# Altium PCB PCB_Kasli.PCBDOC (part 6 of 14)
Units mm, origin at the board's own origin, x right, y up, seen from the top; angles counter-clockwise.
Board outline 162.29 x 100 mm, 6 copper layers (TopLayer, MidLayer1, MidLayer2, SignalLayer1, Internal Plane 1, BottomLayer), stack 1.528 mm thick; 646 components, 567 nets, 2756 pads, 1560 vias.
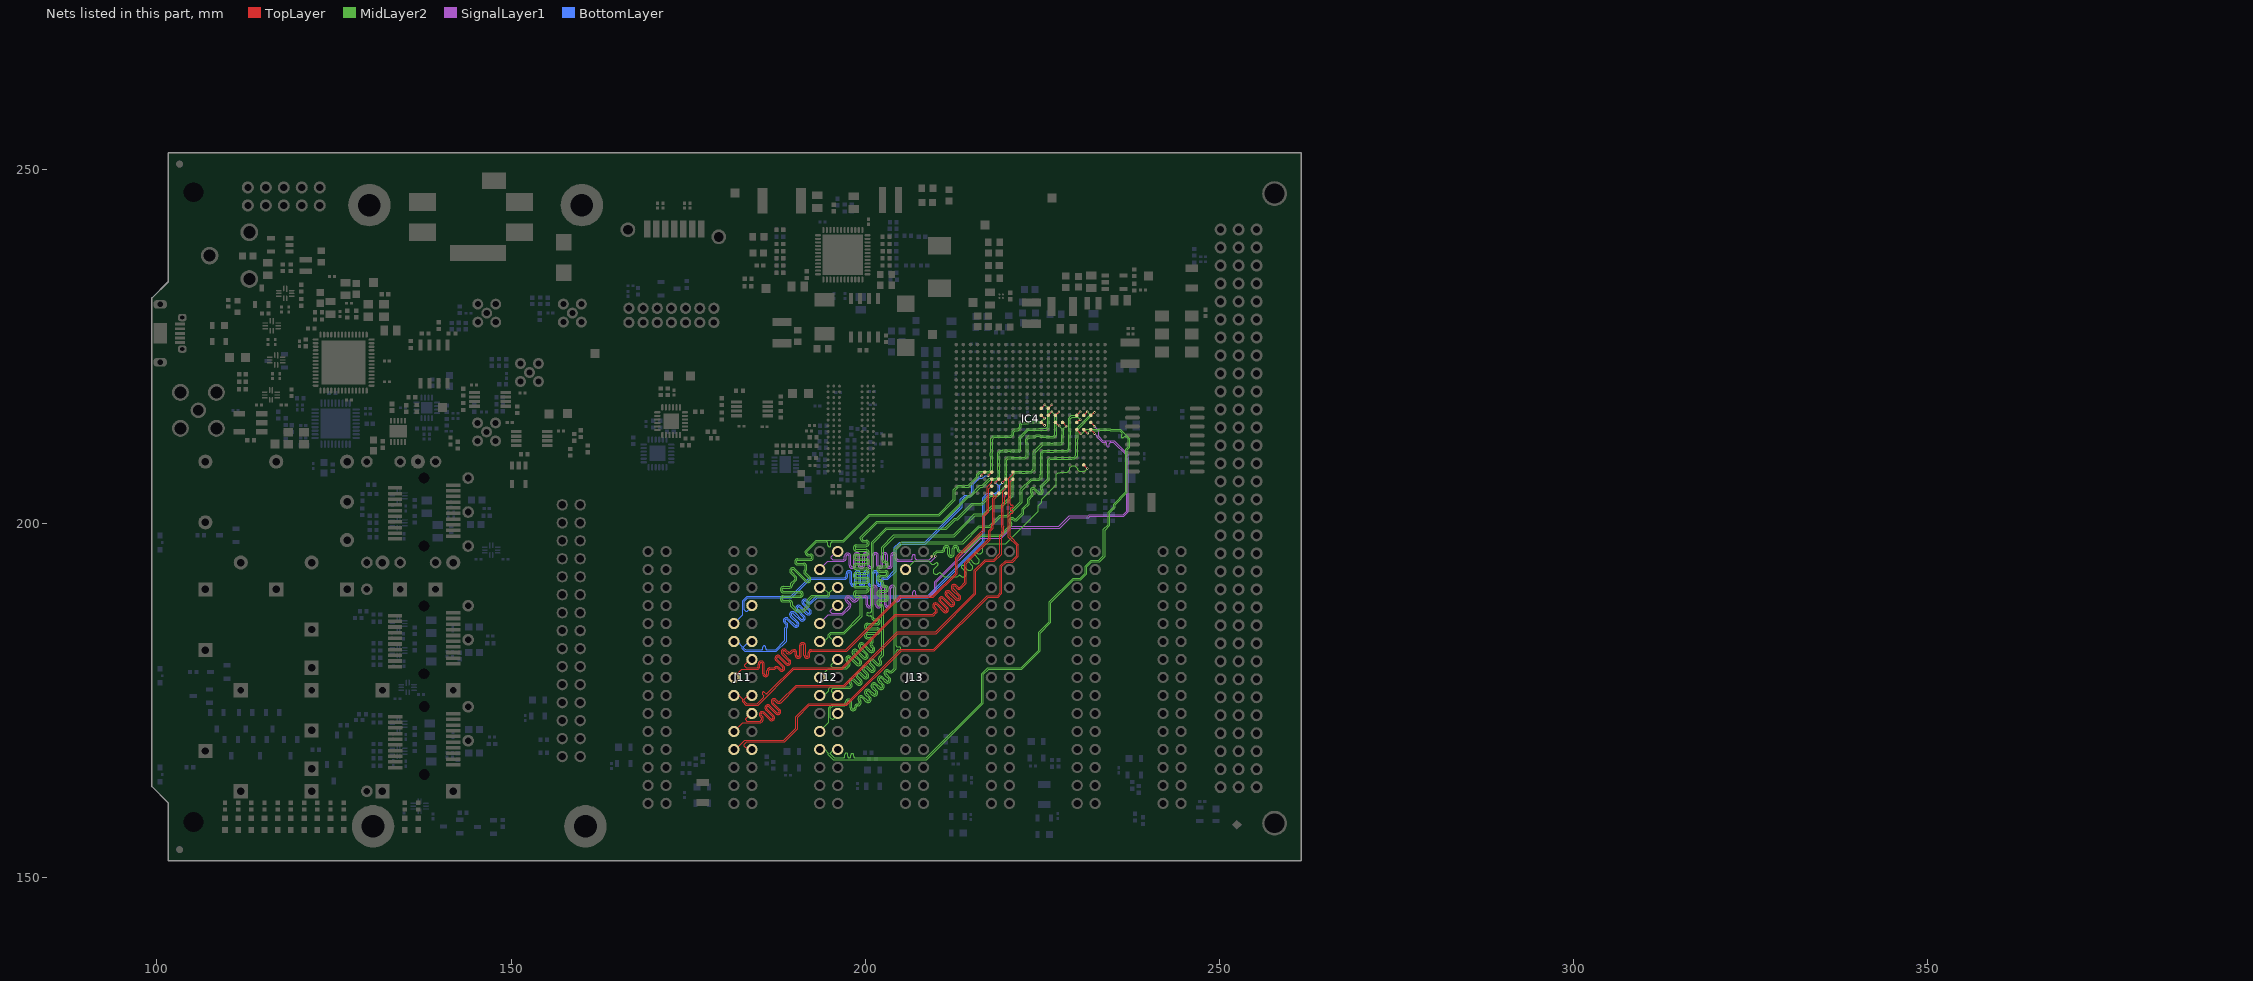
[diagram p10: the nets of this part, all layers, seen from the top]

## Via types
v1: diameter 0.5, hole 0.2, TopLayer to BottomLayer, tented both sides, 724 vias
v2: diameter 0.35, hole 0.15, TopLayer to BottomLayer, tented both sides, 628 vias
v3: diameter 0.8, hole 0.5, TopLayer to BottomLayer, tented both sides, 122 vias
v4: diameter 0.8, hole 0.5, TopLayer to BottomLayer, 66 vias
v5: diameter 0.5, hole 0.2, TopLayer to BottomLayer, 20 vias

## Nets (pads, with @x,y where several pads share a name; then routed paths per layer and width w, separated by ;. In a path a pad name is that pad's centre, name@x,y a point inside that pad or via, vN(x,y) a via of type N, cw(c..) or ccw(c..) an arc to the next point about the centre after c; other vN are vias at no path point) (continued)
EXT2.LVDS_2_N: IC4.W5 J11.9 | length 62.4
  TopLayer w0.095: v2(216.408,206.781) 216.408,206.851 IC4.W5@216.872,207.315
  BottomLayer w0.095: J11.9@181.465,185.928 182.711,187.174 182.711,189.169 183.322,189.78 189.511,189.78 192.136,192.405 197.104,192.405 ccw(c197.104,192.602) 197.302,192.602 197.302,192.987 cw(c197.719,192.987) 197.719,193.405 cw(c197.719,192.987) 198.137,192.987 198.137,191.602 ccw(c198.334,191.602) 198.334,191.405 ccw(c198.334,191.602) 198.532,191.602 198.532,192.987 cw(c198.949,192.987) 198.949,193.405 cw(c198.949,192.987) 199.367,192.987 199.367,191.602 ccw(c199.564,191.602) 199.564,191.405 ccw(c199.564,191.602) 199.762,191.602 199.762,192.987 cw(c200.179,192.987) 200.179,193.405 cw(c200.179,192.987) 200.597,192.987 200.597,191.602 ccw(c200.794,191.602) 200.794,191.405 ccw(c200.794,191.602) 200.992,191.602 200.992,192.987 cw(c201.409,192.987) 201.409,193.405 cw(c201.409,192.987) 201.827,192.987 201.827,191.602 ccw(c202.024,191.602) 202.024,191.405 ccw(c202.024,191.602) 202.222,191.602 202.222,191.987 cw(c202.639,191.987) 202.639,192.405 203.124,192.405 204.14,193.421 204.14,196.662 204.853,197.375 204.944,197.375 208.417,197.375 213.461,202.418 213.461,203.461 214.05,204.05 214.75,204.05 215.055,204.355 215.055,205.68 216.027,206.652 216.279,206.652 v2(216.408,206.781)
EXT2.LVDS_2_P: IC4.W6 J11.8 | length 62.2
  TopLayer w0.095: v2(217.372,206.815) IC4.W6@217.872,207.315
  BottomLayer w0.095: J11.8@184.005,188.468 184.005,188.298 183.337,187.63 183.159,187.63 182.931,187.858 182.931,189.078 183.413,189.56 189.602,189.56 192.227,192.185 197.104,192.185 ccw(c197.104,192.602) 197.521,192.602 197.521,192.987 cw(c197.719,192.987) 197.719,193.185 cw(c197.719,192.987) 197.917,192.987 197.917,191.602 ccw(c198.334,191.602) 198.334,191.185 ccw(c198.334,191.602) 198.752,191.602 198.752,192.987 cw(c198.949,192.987) 198.949,193.185 cw(c198.949,192.987) 199.147,192.987 199.147,191.602 ccw(c199.564,191.602) 199.564,191.185 ccw(c199.564,191.602) 199.982,191.602 199.982,192.987 cw(c200.179,192.987) 200.179,193.185 cw(c200.179,192.987) 200.377,192.987 200.377,191.602 ccw(c200.794,191.602) 200.794,191.185 ccw(c200.794,191.602) 201.212,191.602 201.212,192.987 cw(c201.409,192.987) 201.409,193.185 cw(c201.409,192.987) 201.607,192.987 201.607,191.602 ccw(c202.024,191.602) 202.024,191.185 ccw(c202.024,191.602) 202.442,191.602 202.442,191.987 cw(c202.639,191.987) 202.639,192.185 203.215,192.185 204.36,193.33 204.36,196.571 204.944,197.155 208.509,197.155 213.681,202.327 213.681,203.369 214.141,203.83 214.841,203.83 214.906,203.894 215.275,204.264 215.275,205.589 216.095,206.409 216.562,206.409 216.968,206.815 v2(217.372,206.815)
EXT2.LVDS_3_N: IC4.Y7 J11.12 | length 65.8
  TopLayer w0.095: v2(218.361,205.81) 218.364,205.807 IC4.Y7@218.872,206.315
  BottomLayer w0.095: J11.12@184.005,183.388 183.617,183.388 182.88,182.651 182.88,182.448 183.109,182.22 185.35,182.22 ccw(c185.35,182.417) 185.548,182.417 185.548,182.578 cw(c185.745,182.578) 185.745,182.776 cw(c185.745,182.578) 185.943,182.578 185.943,182.417 ccw(c186.14,182.417) 186.14,182.22 186.338,182.22 186.8,182.22 187.359,182.22 188.68,183.54 188.68,185.359 188.823,185.502 ccw(c188.684,185.642) 188.881,185.642 ccw(c188.684,185.642) 188.823,185.782 188.569,186.036 cw(c188.864,186.331) 188.569,186.626 cw(c188.864,186.331) 189.16,186.626 190.103,185.683 ccw(c190.243,185.823) 190.382,185.683 ccw(c190.243,185.823) 190.44,185.823 ccw(c190.243,185.823) 190.382,185.962 189.439,186.906 cw(c189.734,187.201) 189.439,187.496 cw(c189.734,187.201) 190.029,187.496 190.973,186.553 ccw(c191.112,186.692) 191.251,186.552 ccw(c191.112,186.692) 191.31,186.692 ccw(c191.112,186.692) 191.252,186.832 190.309,187.775 cw(c190.604,188.071) 190.309,188.366 cw(c190.604,188.071) 190.899,188.366 191.842,187.423 ccw(c191.982,187.562) 192.121,187.422 ; 192.122,187.422 ccw(c191.982,187.562) 192.18,187.562 ccw(c191.982,187.562) 192.122,187.702 191.178,188.645 cw(c191.474,188.94) 191.178,189.235 cw(c191.474,188.94) 191.769,189.235 192.023,188.981 ccw(c192.163,189.121) 192.302,188.981 193.135,189.814 208.813,189.814 216.63,197.631 216.63,203.671 217.259,204.3 218.384,204.3 218.762,204.678 218.762,205.425 218.377,205.81 v2(218.361,205.81)
EXT2.LVDS_3_P: IC4.Y8 J11.11 | length 65.8
  TopLayer w0.095: v2(219.372,205.815) IC4.Y8@219.872,206.315
  BottomLayer w0.095: J11.11@181.465,183.388 181.923,183.388 182.66,182.651 182.66,182.357 183.017,182 187.45,182 188.9,183.449 188.9,185.268 188.979,185.347 ccw(c188.684,185.642) 189.101,185.642 ccw(c188.684,185.642) 188.979,185.937 188.725,186.191 cw(c188.864,186.331) 188.724,186.47 cw(c188.864,186.331) 189.004,186.471 189.947,185.527 ccw(c190.243,185.823) 190.538,185.527 ccw(c190.243,185.823) 190.66,185.823 ccw(c190.243,185.823) 190.538,186.118 189.595,187.061 cw(c189.734,187.201) 189.594,187.34 cw(c189.734,187.201) 189.874,187.34 190.817,186.397 ccw(c191.112,186.692) 191.407,186.397 ccw(c191.112,186.692) 191.53,186.692 ccw(c191.112,186.692) 191.407,186.988 190.464,187.931 cw(c190.604,188.071) 190.464,188.21 cw(c190.604,188.071) 190.744,188.21 191.687,187.267 ccw(c191.982,187.562) 192.277,187.267 ccw(c191.982,187.562) 192.4,187.562 ccw(c191.982,187.562) 192.277,187.857 191.334,188.801 cw(c191.474,188.94) 191.334,189.079 ; 191.334,189.08 cw(c191.474,188.94) 191.613,189.08 191.867,188.826 ccw(c192.163,189.121) 192.458,188.826 193.226,189.594 208.905,189.594 216.85,197.54 216.85,203.58 217.35,204.08 218.475,204.08 218.982,204.587 218.982,205.425 v2(219.372,205.815)
EXT2.LVDS_4_N: IC4.AA6 J11.15 | length 66.9
  TopLayer w0.095: J11.15@181.465,178.308 182.591,179.434 184.709,179.434 ccw(c184.709,179.852) 185.126,179.852 185.126,180.21 cw(c185.324,180.21) 185.324,180.408 cw(c185.324,180.21) 185.521,180.21 185.521,178.852 ccw(c185.939,178.852) 185.939,178.434 ccw(c185.939,178.852) 186.356,178.852 186.356,179.237 cw(c186.554,179.237) 186.554,179.434 187.232,179.434 187.376,179.578 cw(c187.515,179.438) 187.655,179.578 187.927,179.306 ccw(c188.222,179.601) 188.518,179.306 ccw(c188.222,179.601) 188.64,179.601 ccw(c188.222,179.601) 188.518,179.896 187.538,180.875 cw(c187.678,181.015) 187.538,181.154 ; 187.539,181.155 cw(c187.678,181.015) 187.818,181.155 188.797,180.175 ccw(c189.092,180.471) 189.387,180.175 ccw(c189.092,180.471) 189.51,180.471 ccw(c189.092,180.471) 189.387,180.766 188.408,181.745 cw(c188.548,181.885) 188.408,182.024 ; 188.408,182.024 cw(c188.548,181.885) 188.687,182.024 188.96,181.752 ccw(c189.255,182.047) 189.55,181.752 189.823,182.025 189.935,182.025 cw(c189.935,181.827) 190.132,181.827 190.132,181.442 ccw(c190.55,181.442) 190.55,181.025 ccw(c190.55,181.442) 190.967,181.442 190.967,182.827 cw(c191.165,182.827) 191.165,183.025 cw(c191.165,182.827) 191.362,182.827 191.362,181.442 ccw(c191.78,181.442) 191.78,181.025 ccw(c191.78,181.442) 192.197,181.442 192.197,181.827 cw(c192.395,181.827) 192.395,182.025 197.367,182.025 204.961,189.62 209.65,189.62 212.979,192.949 212.979,195.104 213.462,195.587 216.85,198.975 216.85,201.05 217.478,201.678 217.478,204.921 IC4.AA6@217.872,205.315 217.72,205.315 IC4.AA6@217.72,205.293
EXT2.LVDS_4_P: IC4.Y6 J11.14 | length 66.9
  TopLayer w0.095: J11.14@183.744,180.848 182.982,180.086 182.982,179.883 183.21,179.654 184.709,179.654 ccw(c184.709,179.852) 184.906,179.852 184.906,180.21 cw(c185.324,180.21) 185.324,180.628 cw(c185.324,180.21) 185.741,180.21 185.741,178.852 ccw(c185.939,178.852) 185.939,178.654 ccw(c185.939,178.852) 186.136,178.852 186.136,179.237 cw(c186.554,179.237) 186.554,179.654 187.141,179.654 187.22,179.733 cw(c187.515,179.438) 187.81,179.733 188.083,179.461 ccw(c188.222,179.601) 188.362,179.461 ; 188.362,179.461 ccw(c188.222,179.601) 188.42,179.601 ccw(c188.222,179.601) 188.362,179.74 187.383,180.72 cw(c187.678,181.015) 187.383,181.31 cw(c187.678,181.015) 187.973,181.31 188.952,180.331 ccw(c189.092,180.471) 189.231,180.33 ; 189.232,180.331 ccw(c189.092,180.471) 189.29,180.471 ccw(c189.092,180.471) 189.232,180.61 188.252,181.59 cw(c188.548,181.885) 188.252,182.18 cw(c188.548,181.885) 188.843,182.18 189.115,181.908 ccw(c189.255,182.047) 189.394,181.908 189.732,182.245 189.935,182.245 cw(c189.935,181.827) 190.352,181.827 190.352,181.442 ccw(c190.55,181.442) 190.55,181.245 ccw(c190.55,181.442) 190.747,181.442 190.747,182.827 cw(c191.165,182.827) 191.165,183.245 cw(c191.165,182.827) 191.582,182.827 191.582,181.442 ccw(c191.78,181.442) 191.78,181.245 ccw(c191.78,181.442) 191.977,181.442 191.977,181.827 cw(c192.395,181.827) 192.395,182.245 197.275,182.245 204.87,189.84 209.559,189.84 212.759,193.04 212.759,195.195 213.242,195.678 216.63,199.066 216.63,201.141 217.258,201.77 217.258,205.248 217.872,205.861 IC4.Y6@217.872,206.315
EXT2.LVDS_5_N: IC4.AB6 J11.18 | length 67.2
  TopLayer w0.095: J11.18@184.005,175.768 183.464,175.768 182.905,175.209 182.905,174.981 183.261,174.625 184.779,174.625 185.652,175.498 ccw(c185.512,175.638) 185.652,175.777 185.504,175.925 cw(c185.644,176.065) 185.504,176.205 cw(c185.644,176.065) 185.783,176.205 185.931,176.057 ccw(c186.071,176.196) 186.21,176.057 186.35,176.196 186.839,176.686 189.825,179.671 196.674,179.671 204.226,187.223 209.569,187.223 209.915,187.569 ccw(c209.775,187.709) 209.973,187.709 ccw(c209.775,187.709) 209.915,187.849 209.643,188.121 cw(c209.938,188.416) 209.643,188.711 cw(c209.938,188.416) 210.233,188.711 211.213,187.732 ccw(c211.352,187.872) 211.492,187.732 ; 211.492,187.732 ccw(c211.352,187.872) 211.55,187.872 ccw(c211.352,187.872) 211.492,188.011 210.513,188.991 cw(c210.808,189.286) 210.513,189.581 cw(c210.808,189.286) 211.103,189.581 212.082,188.602 ccw(c212.222,188.742) 212.361,188.601 ccw(c212.222,188.741) 212.42,188.741 ccw(c212.222,188.741) 212.362,188.881 211.382,189.86 cw(c211.678,190.156) 211.382,190.451 cw(c211.678,190.156) 211.973,190.451 212.952,189.472 ccw(c213.092,189.611) 213.231,189.471 ; 213.231,189.472 ccw(c213.092,189.611) 213.289,189.611 ccw(c213.092,189.611) 213.231,189.751 212.252,190.73 cw(c212.547,191.025) 212.252,191.321 cw(c212.547,191.025) 212.843,191.321 213.115,191.048 ccw(c213.254,191.188) 213.394,191.048 214.08,191.734 214.08,194.491 214.937,195.348 217.461,197.872 217.461,199.061 217.876,199.477 217.876,199.97 218.025,200.118 218.025,203.588 218.262,203.825 218.262,203.925 IC4.AB6@217.872,204.315
EXT2.LVDS_5_P: IC4.AB7 J11.17 | length 67.2
  TopLayer w0.095: J11.17@181.465,175.768 182.127,175.768 182.685,175.209 182.685,174.889 183.17,174.405 184.87,174.405 189.916,179.451 196.765,179.451 204.318,187.003 209.66,187.003 210.071,187.414 ccw(c209.775,187.709) 210.193,187.709 ccw(c209.775,187.709) 210.071,188.004 209.798,188.277 cw(c209.938,188.416) 209.798,188.555 ; 209.798,188.556 cw(c209.938,188.416) 210.078,188.556 211.057,187.577 ccw(c211.352,187.872) 211.648,187.577 ccw(c211.352,187.872) 211.77,187.872 ccw(c211.352,187.872) 211.648,188.167 210.668,189.146 cw(c210.808,189.286) 210.668,189.425 cw(c210.808,189.286) 210.948,189.426 211.927,188.446 ccw(c212.222,188.742) 212.517,188.446 ccw(c212.222,188.741) 212.64,188.741 ccw(c212.222,188.741) 212.517,189.037 211.538,190.016 cw(c211.678,190.156) 211.538,190.295 ; 211.538,190.296 cw(c211.678,190.156) 211.817,190.295 212.797,189.316 ccw(c213.092,189.611) 213.387,189.316 ccw(c213.092,189.611) 213.509,189.611 ccw(c213.092,189.611) 213.387,189.906 212.408,190.886 cw(c212.547,191.025) 212.407,191.165 ; 212.408,191.166 cw(c212.547,191.025) 212.687,191.165 212.959,190.893 ccw(c213.254,191.188) 213.55,190.893 214.3,191.643 214.3,194.4 215.157,195.257 217.681,197.781 217.681,198.969 218.096,199.385 218.096,199.878 218.245,200.027 218.245,203.497 218.482,203.734 218.482,203.925 IC4.AB7@218.872,204.315
EXT2.LVDS_6_N: IC4.AB8 J11.21 | length 67.1
  TopLayer w0.095: J11.21@181.465,170.688 182.693,171.916 185.276,171.916 185.518,172.158 ccw(c185.223,172.453) 185.641,172.453 ccw(c185.223,172.453) 185.518,172.748 185.323,172.944 cw(c185.463,173.083) 185.323,173.223 ; 185.323,173.224 cw(c185.463,173.083) 185.602,173.223 186.505,172.321 ccw(c186.8,172.616) 187.095,172.321 ccw(c186.8,172.616) 187.218,172.616 ccw(c186.8,172.616) 187.095,172.911 186.116,173.89 cw(c186.256,174.03) 186.116,174.169 ; 186.116,174.17 cw(c186.256,174.03) 186.395,174.17 187.375,173.19 ccw(c187.67,173.486) 187.965,173.19 ccw(c187.67,173.486) 188.087,173.486 ccw(c187.67,173.486) 187.965,173.781 186.986,174.76 cw(c187.125,174.9) 186.985,175.039 ; 186.986,175.04 cw(c187.125,174.9) 187.265,175.04 187.537,174.767 ccw(c187.832,175.062) 188.128,174.767 190.331,176.97 197.062,176.97 204.606,184.514 210.031,184.514 215.646,190.129 215.646,193.326 217.025,194.705 218.236,194.705 219.256,195.725 219.256,198.275 219.524,198.543 219.524,198.867 219.568,198.911 219.568,199.589 219.524,199.633 219.524,202.642 219.678,202.796 219.678,203.824 219.872,204.018 IC4.AB8@219.872,204.315
EXT2.LVDS_6_P: IC4.AA8 J11.20 | length 67
  TopLayer w0.095: J11.20@183.896,173.228 183.134,172.466 183.134,172.314 183.312,172.136 185.185,172.136 185.363,172.314 ccw(c185.223,172.453) 185.421,172.453 ccw(c185.223,172.453) 185.363,172.593 185.168,172.788 cw(c185.463,173.083) 185.168,173.379 cw(c185.463,173.083) 185.758,173.379 186.66,172.476 ccw(c186.8,172.616) 186.939,172.476 ; 186.94,172.476 ccw(c186.8,172.616) 186.998,172.616 ccw(c186.8,172.616) 186.94,172.756 185.96,173.735 cw(c186.256,174.03) 185.96,174.325 cw(c186.256,174.03) 186.551,174.325 187.53,173.346 ccw(c187.67,173.486) 187.809,173.346 ccw(c187.67,173.486) 187.867,173.486 ccw(c187.67,173.486) 187.809,173.625 186.83,174.605 cw(c187.125,174.9) 186.83,175.195 cw(c187.125,174.9) 187.421,175.195 187.693,174.923 ccw(c187.832,175.062) 187.972,174.923 190.24,177.19 196.971,177.19 204.514,184.734 209.94,184.734 215.426,190.221 215.426,193.417 216.934,194.925 218.144,194.925 219.036,195.816 219.036,198.261 219.036,198.366 219.304,198.634 219.304,198.959 219.348,199.003 219.348,199.497 219.304,199.541 219.304,202.733 219.458,202.887 219.458,204.604 219.872,205.018 IC4.AA8@219.872,205.315
EXT2.LVDS_7_N: IC4.Y9 J11.24 | length 67.1
  TopLayer w0.095: J11.24@184.005,168.148 183.413,168.148 182.956,168.605 182.956,168.885 183.295,169.223 188.619,169.223 190.449,171.054 190.449,172.703 192.1,174.354 197.417,174.354 205.139,182.076 209.787,182.076 217.356,189.645 218.785,189.645 219.316,190.176 219.316,194.004 219.916,194.605 220.816,194.605 221.631,195.42 221.631,197.044 220.455,198.22 220.455,200.825 220.455,201.27 cw(c220.653,201.27) 220.653,201.467 220.692,201.467 ccw(c220.692,201.665) 220.89,201.665 ccw(c220.692,201.665) 220.692,201.862 220.653,201.862 cw(c220.653,202.06) 220.455,202.06 cw(c220.653,202.06) 220.653,202.257 220.718,202.257 ccw(c220.718,202.455) 220.915,202.455 ccw(c220.718,202.455) 220.718,202.653 220.653,202.653 cw(c220.653,202.85) 220.455,202.85 220.455,203.456 220.478,203.479 220.478,205.921 IC4.Y9@220.872,206.315
EXT2.LVDS_7_P: IC4.W9 J11.23 | length 67
  TopLayer w0.095: J11.23@181.465,168.148 181.723,168.148 183.018,169.443 188.527,169.443 190.229,171.145 190.229,172.794 192.009,174.574 197.326,174.574 205.048,182.296 209.696,182.296 217.265,189.865 218.694,189.865 219.096,190.267 219.096,194.096 219.825,194.825 220.725,194.825 221.411,195.511 221.411,196.953 220.235,198.129 220.235,203.547 220.258,203.57 220.258,206.404 220.872,207.018 IC4.W9@220.872,207.315
EXT3.LVDS_0_N: IC4.L20 J12.3 | length 78
  TopLayer w0.095: IC4.L20@231.872,215.315 232.33,215.773 232.355,215.748 v2(232.385,215.748)
  MidLayer2 w0.115: v2(209.931,195.428) 209.931,195.734 210.184,195.986 210.82,195.986 ccw(c210.82,196.429) 211.263,196.429 211.263,196.479 cw(c211.47,196.479) 211.678,196.479 211.678,195.729 ccw(c212.12,195.729) 212.563,195.729 212.563,196.479 cw(c212.77,196.479) 212.978,196.479 212.978,196.429 ccw(c213.42,196.429) 213.42,195.986 214.099,195.986 216.359,198.247 219.223,198.247 220.61,199.633 ccw(c220.297,199.946) 220.739,199.946 ccw(c220.297,199.946) 220.61,200.259 220.574,200.295 cw(c220.721,200.441) 220.574,200.588 cw(c220.721,200.441) 220.868,200.588 220.903,200.553 ccw(c221.216,200.866) 221.529,200.553 222.428,201.452 222.428,202.041 223.164,202.777 223.164,203.418 223.61,203.864 ccw(c223.297,204.177) 223.74,204.177 ccw(c223.297,204.177) 223.61,204.49 223.575,204.525 cw(c223.721,204.672) 223.575,204.818 cw(c223.721,204.672) 223.868,204.818 224.398,204.288 ccw(c224.711,204.601) 225.024,204.288 ccw(c224.711,204.601) 225.154,204.601 ccw(c224.711,204.601) 225.024,204.914 224.989,204.949 cw(c225.136,205.096) 224.989,205.243 225.99,206.243 225.99,206.973 226.028,207.012 226.028,208.967 226.172,209.11 227.188,209.11 227.222,209.145 228.325,209.145 229.161,209.145 229.214,209.197 229.628,209.197 229.99,209.559 229.99,211.973 230.068,212.051 230.068,213.352 231.959,215.244 231.959,215.443 232.264,215.748 v2(232.385,215.748) v2@232.385,215.669
  SignalLayer1 w0.115: J12.3@193.584,193.548 194.746,194.71 196.875,194.71 ccw(c196.875,195.153) 197.318,195.153 197.318,195.425 cw(c197.525,195.425) 197.733,195.425 197.733,194.152 ccw(c198.175,194.152) 198.618,194.152 198.618,195.502 cw(c198.825,195.502) 199.033,195.502 199.033,194.152 ccw(c199.475,194.152) 199.918,194.152 199.918,195.502 cw(c200.125,195.502) 200.333,195.502 200.333,194.152 ccw(c200.775,194.152) 201.218,194.152 201.218,195.502 cw(c201.425,195.502) 201.633,195.502 201.633,194.152 ccw(c202.075,194.152) 202.518,194.152 202.518,195.502 cw(c202.725,195.502) 202.933,195.502 202.933,194.152 ccw(c203.375,194.152) 203.818,194.152 203.818,195.502 cw(c204.025,195.502) 204.233,195.502 204.233,195.153 ccw(c204.675,195.153) 204.675,194.71 209.348,194.71 209.931,195.293 v2(209.931,195.428)
EXT3.LVDS_0_P: IC4.L19 J12.2 | length 77.7
  TopLayer w0.095: IC4.L19@230.872,215.315 v2(231.372,215.815)
  MidLayer2 w0.115: v2(209.41,195.435) 209.41,195.448 209.696,195.734 209.696,195.831 210.087,196.221 210.82,196.221 ccw(c210.82,196.429) 211.028,196.429 211.028,196.479 cw(c211.47,196.479) 211.913,196.479 211.913,195.729 ccw(c212.12,195.729) 212.328,195.729 212.328,196.479 cw(c212.77,196.479) 213.213,196.479 213.213,196.429 ccw(c213.42,196.429) 213.42,196.221 214.001,196.221 216.262,198.482 219.126,198.482 220.443,199.8 ccw(c220.297,199.946) 220.504,199.946 ccw(c220.297,199.946) 220.443,200.093 220.408,200.128 cw(c220.721,200.441) 221.034,200.754 221.069,200.719 ccw(c221.216,200.866) 221.363,200.719 222.193,201.55 222.193,202.138 222.929,202.874 222.929,203.516 223.444,204.03 ccw(c223.297,204.177) 223.505,204.177 ccw(c223.297,204.177) 223.444,204.323 223.408,204.359 cw(c223.721,204.672) 223.408,204.985 cw(c223.721,204.672) 224.034,204.985 224.565,204.454 ccw(c224.711,204.601) 224.858,204.454 ccw(c224.711,204.601) 224.919,204.601 ccw(c224.711,204.601) 224.858,204.748 224.823,204.783 cw(c225.136,205.096) 224.823,205.409 225.755,206.341 225.755,207.071 225.793,207.11 225.793,207.919 225.782,207.93 225.782,209.053 226.074,209.345 227.09,209.345 227.125,209.38 229.064,209.38 229.116,209.432 229.53,209.432 229.755,209.657 229.755,212.071 229.833,212.149 229.833,213.45 231.724,215.341 231.724,215.463 v2(231.372,215.815)
  SignalLayer1 w0.115: J12.2@195.936,196.088 195.199,195.351 195.199,195.148 195.402,194.945 196.875,194.945 ccw(c196.875,195.153) 197.083,195.153 197.083,195.425 cw(c197.525,195.425) 197.968,195.425 197.968,194.152 ccw(c198.175,194.152) 198.383,194.152 198.383,195.502 cw(c198.825,195.502) 199.268,195.502 199.268,194.152 ccw(c199.475,194.152) 199.683,194.152 199.683,195.502 cw(c200.125,195.502) 200.568,195.502 200.568,194.152 ccw(c200.775,194.152) 200.983,194.152 200.983,195.502 cw(c201.425,195.502) 201.868,195.502 201.868,194.152 ccw(c202.075,194.152) 202.283,194.152 202.283,195.502 cw(c202.725,195.502) 203.168,195.502 203.168,194.152 ccw(c203.375,194.152) 203.583,194.152 203.583,195.502 cw(c204.025,195.502) 204.468,195.502 204.468,195.153 ccw(c204.675,195.153) 204.675,194.945 206.45,194.945 ccw(c206.45,195.153) 206.658,195.153 206.658,195.438 cw(c206.865,195.438) 206.865,195.645 cw(c206.865,195.438) 207.073,195.438 207.073,195.153 ccw(c207.28,195.153) 207.28,194.945 207.488,194.945 207.85,194.945 209.042,194.945 209.41,195.313 v2(209.41,195.435)
EXT3.LVDS_1_N: IC4.L13 J12.6 | length 81.1
  TopLayer w0.095: IC4.L13@224.872,215.315 225.302,214.885 225.346,214.929 225.35,214.934 v2(225.35,214.925)
  MidLayer2 w0.115: J12.6@195.682,191.008 195.01,190.336 195.01,189.953 194.757,189.7 192.582,189.7 192.085,189.203 192.085,188.378 191.322,187.615 190.278,187.615 189.515,188.378 189.515,188.766 ccw(c189.307,188.766) 189.307,188.974 188.457,188.974 cw(c188.457,189.416) 188.457,189.859 190.807,189.859 ccw(c190.807,190.066) 191.015,190.066 ccw(c190.807,190.066) 190.807,190.274 188.457,190.274 cw(c188.457,190.716) 188.457,191.159 189.307,191.159 ccw(c189.307,191.366) 189.515,191.366 189.515,191.59 190.067,192.142 ccw(c189.92,192.289) 190.128,192.289 ccw(c189.92,192.289) 190.067,192.435 189.466,193.036 cw(c189.779,193.349) 189.466,193.662 cw(c189.779,193.349) 190.092,193.662 191.753,192 ccw(c191.9,192.147) 192.046,192 ccw(c191.9,192.147) 192.107,192.147 ccw(c191.9,192.147) 192.047,192.294 191.446,192.895 cw(c191.759,193.208) 191.446,193.521 191.535,193.61 191.535,193.986 ccw(c191.327,193.986) 191.327,194.194 190.478,194.194 cw(c190.478,194.636) 190.478,195.079 192.258,195.079 ccw(c192.258,195.286) 192.465,195.286 ccw(c192.258,195.286) 192.258,195.494 191.978,195.494 cw(c191.978,195.936) 191.535,195.936 191.535,196.16 193.063,197.688 196.873,197.688 200.556,201.371 210.361,201.371 212.465,203.475 212.465,204.821 213.112,205.469 213.667,205.469 213.725,205.41 214.094,205.41 214.116,205.432 214.53,205.432 215.754,206.657 215.754,207.029 216.158,207.432 217.53,207.432 217.755,207.657 217.755,209.489 217.695,209.548 217.695,210.06 217.755,210.119 217.755,212.071 218.116,212.432 220.517,212.432 220.753,212.668 220.753,213.041 221.121,213.409 221.519,213.409 221.825,213.715 221.825,214.081 222.112,214.367 222.927,214.367 223.053,214.493 224.943,214.493 225.35,214.899 v2(225.35,214.925)
  SignalLayer1 w0.115: J12.6@195.682,191.008 J12.6@196.124,191.008
EXT3.LVDS_1_P: IC4.M13 J12.5 | length 81.8
  TopLayer w0.095: IC4.M13@224.872,214.315 225.319,213.869 225.344,213.843 225.35,213.848 v2(225.35,213.9)
  MidLayer2 w0.115: J12.5@193.584,191.008 194.042,191.008 194.775,190.275 194.775,190.05 194.66,189.935 192.485,189.935 191.85,189.3 191.85,188.475 191.225,187.85 190.375,187.85 189.75,188.475 189.75,188.766 ccw(c189.307,188.766) 189.307,189.209 188.457,189.209 cw(c188.457,189.416) 188.457,189.624 190.807,189.624 ccw(c190.807,190.066) 191.25,190.066 ccw(c190.807,190.066) 190.807,190.509 188.457,190.509 cw(c188.457,190.716) 188.457,190.924 189.307,190.924 ccw(c189.307,191.366) 189.75,191.366 189.75,191.493 190.233,191.976 ccw(c189.92,192.289) 190.363,192.289 ccw(c189.92,192.289) 190.233,192.601 189.632,193.202 cw(c189.779,193.349) 189.632,193.495 cw(c189.779,193.349) 189.925,193.496 191.587,191.834 ccw(c191.9,192.147) 192.213,191.834 ccw(c191.9,192.147) 192.342,192.147 ccw(c191.9,192.147) 192.213,192.46 191.612,193.061 cw(c191.759,193.208) 191.612,193.354 191.77,193.513 191.77,193.986 ccw(c191.327,193.986) 191.327,194.429 190.478,194.429 cw(c190.478,194.636) 190.478,194.844 192.258,194.844 ccw(c192.258,195.286) 192.7,195.286 ccw(c192.258,195.286) 192.258,195.729 191.978,195.729 cw(c191.978,195.936) 191.77,195.936 191.77,196.063 193.161,197.453 194.125,197.453 194.332,197.453 194.54,197.453 cw(c194.54,197.246) 194.747,197.246 194.747,196.961 ccw(c194.955,196.961) 194.955,196.753 ccw(c194.955,196.961) 195.163,196.961 195.163,197.246 cw(c195.37,197.246) 195.37,197.453 195.975,197.453 196.971,197.453 200.654,201.136 210.458,201.136 212.7,203.378 212.7,204.724 213.209,205.234 213.569,205.234 213.628,205.175 214.191,205.175 214.214,205.197 214.628,205.197 215.989,206.559 215.989,206.931 216.256,207.197 217.628,207.197 217.99,207.559 217.99,209.587 217.93,209.646 217.93,209.962 217.99,210.021 217.99,211.973 218.214,212.197 218.343,212.197 220.615,212.197 220.988,212.571 220.988,212.944 221.219,213.174 221.617,213.174 222.06,213.618 222.06,213.983 222.209,214.132 223.025,214.132 223.15,214.258 224.929,214.258 225.319,213.869 225.344,213.843 225.35,213.848 v2(225.35,213.9)
  SignalLayer1 w0.115: J12.5@193.584,191.008 J12.5@194.278,191.008
EXT3.LVDS_2_N: IC4.M20 J12.9 | length 85.1
  TopLayer w0.095: IC4.M20@231.872,214.315 232.336,213.851 v2(232.336,213.76)
  SignalLayer1 w0.115: J12.9@193.584,185.928 194.796,187.14 196.84,187.14 197.875,188.175 ccw(c197.562,188.488) 198.005,188.488 ccw(c197.562,188.488) 197.875,188.801 197.442,189.234 cw(c197.589,189.381) 197.441,189.527 cw(c197.589,189.381) 197.735,189.527 198.168,189.094 ccw(c198.481,189.407) 198.794,189.094 199.315,189.615 199.95,189.615 cw(c199.95,189.407) 200.157,189.407 200.157,188.593 ccw(c200.6,188.593) 201.042,188.593 201.042,190.872 cw(c201.25,190.872) 201.457,190.872 201.457,188.593 ccw(c201.9,188.593) 202.342,188.593 202.342,190.872 cw(c202.55,190.872) 202.757,190.872 202.757,188.593 ccw(c203.2,188.593) 203.642,188.593 203.642,190.872 cw(c203.85,190.872) 204.057,190.872 204.057,189.444 ccw(c204.5,189.444) 204.943,189.444 cw(c205.113,189.444) 205.113,189.615 209.097,189.615 210.06,190.578 210.06,191.747 216.313,198 219.25,198 220.659,199.409 227.459,199.409 228.925,200.875 231.539,200.875 231.714,201.05 236.525,201.05 237.167,201.692 237.167,209.753 235.16,211.76 233.559,211.76 232.975,212.344 232.975,213.122 v2(232.336,213.76)
EXT3.LVDS_2_P: IC4.N20 J12.8 | length 85.2
  TopLayer w0.095: IC4.N20@231.872,213.315 232.385,212.802 v2(232.385,212.75)
  SignalLayer1 w0.115: J12.8@196.124,188.468 195.843,188.468 195.075,187.7 195.075,187.6 195.3,187.375 196.743,187.375 197.709,188.341 ccw(c197.562,188.488) 197.77,188.488 ccw(c197.562,188.488) 197.709,188.635 197.276,189.068 cw(c197.589,189.381) 197.276,189.694 cw(c197.589,189.381) 197.901,189.694 198.335,189.26 ccw(c198.481,189.407) 198.628,189.26 199.218,189.85 199.95,189.85 cw(c199.95,189.407) 200.392,189.407 200.392,188.593 ccw(c200.6,188.593) 200.807,188.593 200.807,190.872 cw(c201.25,190.872) 201.692,190.872 201.692,188.593 ccw(c201.9,188.593) 202.107,188.593 202.107,190.872 cw(c202.55,190.872) 202.992,190.872 202.992,188.593 ccw(c203.2,188.593) 203.407,188.593 203.407,190.872 cw(c203.85,190.872) 204.292,190.872 204.292,189.444 ccw(c204.5,189.444) 204.708,189.444 cw(c205.113,189.444) 205.113,189.85 206.525,189.85 ccw(c206.525,190.057) 206.732,190.057 206.732,190.342 cw(c206.94,190.342) 206.94,190.55 cw(c206.94,190.342) 207.148,190.342 207.148,190.057 ccw(c207.355,190.057) 207.355,189.85 207.563,189.85 207.95,189.85 209,189.85 209.825,190.675 209.825,191.844 216.216,198.235 219.153,198.235 220.562,199.644 227.362,199.644 228.828,201.11 231.442,201.11 231.617,201.285 236.428,201.285 236.932,201.789 236.932,209.655 235.062,211.525 234.9,211.525 234.707,211.525 ccw(c234.707,211.317) 234.5,211.317 234.5,211.088 cw(c234.292,211.088) 234.292,210.88 cw(c234.292,211.088) 234.085,211.088 234.085,211.317 ccw(c233.877,211.317) 233.877,211.525 233.67,211.525 233.462,211.525 232.74,212.247 232.74,212.395 v2(232.385,212.75)
EXT3.LVDS_3_N: IC4.K14 J12.12 | length 79.5
  TopLayer w0.095: IC4.K14@225.872,216.315 v2(226.372,216.815)
  MidLayer2 w0.115: J12.12@196.124,183.388 195.605,183.388 195.021,183.972 195.021,184.226 195.243,184.448 197.049,184.448 199.568,186.967 199.568,189.442 ccw(c199.125,189.442) 199.125,189.885 198.775,189.885 cw(c198.775,190.092) 198.775,190.3 200.125,190.3 ccw(c200.125,190.742) 200.568,190.742 ccw(c200.125,190.742) 200.125,191.185 198.775,191.185 cw(c198.775,191.392) 198.775,191.6 200.125,191.6 ccw(c200.125,192.042) 200.568,192.042 ccw(c200.125,192.042) 200.125,192.485 198.775,192.485 cw(c198.775,192.692) 198.775,192.9 200.125,192.9 ccw(c200.125,193.342) 200.568,193.342 ccw(c200.125,193.342) 200.125,193.785 198.775,193.785 cw(c198.775,193.992) 198.775,194.2 200.125,194.2 ccw(c200.125,194.642) 200.568,194.642 ccw(c200.125,194.642) 200.125,195.085 198.775,195.085 cw(c198.775,195.292) 198.775,195.5 200.125,195.5 ccw(c200.125,195.942) 200.568,195.942 ccw(c200.125,195.942) 200.125,196.385 198.775,196.385 cw(c198.775,196.592) 198.775,196.8 200.125,196.8 ccw(c200.125,197.242) 200.568,197.242 ccw(c200.125,197.242) 200.125,197.685 199.775,197.685 cw(c199.775,197.892) 199.568,197.892 199.568,198.018 201.701,200.152 210.972,200.152 214.624,203.803 214.905,203.803 216.299,205.197 216.628,205.197 217.604,206.173 218.183,206.173 218.202,206.193 218.519,206.193 218.538,206.173 218.604,206.173 219.023,206.592 219.023,207.623 218.99,207.657 218.99,208.071 218.942,208.118 218.942,208.512 218.99,208.559 218.99,209.071 218.942,209.118 218.942,209.926 219.167,210.15 219.576,210.15 219.623,210.197 220.157,210.197 220.177,210.218 220.494,210.218 220.514,210.197 221.809,210.197 221.979,210.367 221.979,210.652 ; 221.978,210.652 221.978,210.969 221.979,211.101 221.971,211.109 221.971,211.54 221.99,211.559 221.99,212.071 221.971,212.09 221.971,212.116 223.063,213.209 224.105,213.209 224.116,213.197 224.628,213.197 224.67,213.24 225.637,213.24 225.99,213.592 225.99,216.433 v2(226.372,216.815) ; 222.631,212.776 223.053,213.197
EXT3.LVDS_3_P: IC4.K13 J12.11 | length 79
  TopLayer w0.095: IC4.K13@224.872,216.315 v2(225.372,216.815)
  MidLayer2 w0.115: J12.11@193.584,183.388 194.202,183.388 194.786,183.972 194.786,184.324 195.146,184.683 196.952,184.683 199.333,187.065 199.333,189.442 ccw(c199.125,189.442) 199.125,189.65 198.775,189.65 cw(c198.775,190.092) 198.775,190.535 200.125,190.535 ccw(c200.125,190.742) 200.333,190.742 ccw(c200.125,190.742) 200.125,190.95 198.775,190.95 cw(c198.775,191.392) 198.775,191.835 200.125,191.835 ccw(c200.125,192.042) 200.333,192.042 ccw(c200.125,192.042) 200.125,192.25 198.775,192.25 cw(c198.775,192.692) 198.775,193.135 200.125,193.135 ccw(c200.125,193.342) 200.333,193.342 ccw(c200.125,193.342) 200.125,193.55 198.775,193.55 cw(c198.775,193.992) 198.775,194.435 200.125,194.435 ccw(c200.125,194.642) 200.333,194.642 ccw(c200.125,194.642) 200.125,194.85 198.775,194.85 cw(c198.775,195.292) 198.775,195.735 200.125,195.735 ccw(c200.125,195.942) 200.333,195.942 ccw(c200.125,195.942) 200.125,196.15 198.775,196.15 cw(c198.775,196.592) 198.775,197.035 200.125,197.035 ccw(c200.125,197.242) 200.333,197.242 ccw(c200.125,197.242) 200.125,197.45 199.775,197.45 cw(c199.775,197.892) 199.333,197.892 199.333,198.116 201.604,200.387 210.875,200.387 214.526,204.038 214.808,204.038 216.208,205.438 216.214,205.432 216.53,205.432 217.506,206.408 218.086,206.408 218.105,206.428 218.526,206.428 218.788,206.69 218.788,207.526 218.755,207.559 218.755,207.973 218.707,208.02 218.707,208.609 218.755,208.657 218.755,208.973 218.707,209.02 218.707,210.024 219.069,210.385 219.402,210.385 219.449,210.432 220.06,210.432 220.08,210.453 220.592,210.453 220.612,210.432 221.712,210.432 221.744,210.464 221.744,210.554 221.743,211.004 221.736,211.012 221.736,211.638 221.755,211.657 221.755,211.973 221.736,211.992 221.736,212.214 222.966,213.444 224.202,213.444 224.214,213.432 224.531,213.432 224.573,213.475 225.54,213.475 225.755,213.69 225.755,216.433 v2(225.372,216.815)
EXT3.LVDS_4_N: IC4.L15 J12.15 | length 80.5
  TopLayer w0.095: IC4.L15@226.872,215.315 v2(227.372,215.815)
  MidLayer2 w0.115: J12.15@193.584,178.308 194.797,179.521 197.377,179.521 197.755,179.899 ccw(c197.443,180.212) 197.885,180.212 ccw(c197.443,180.212) 197.755,180.525 197.527,180.754 cw(c197.673,180.901) 197.526,181.047 ; 197.527,181.047 cw(c197.673,180.901) 197.82,181.047 198.756,180.111 ccw(c199.069,180.424) 199.382,180.111 ccw(c199.069,180.424) 199.511,180.424 ccw(c199.069,180.424) 199.382,180.737 198.427,181.692 cw(c198.574,181.839) 198.427,181.985 cw(c198.574,181.839) 198.721,181.985 199.675,181.031 ccw(c199.988,181.344) 200.301,181.031 ccw(c199.988,181.344) 200.431,181.344 ccw(c199.988,181.344) 200.301,181.656 199.346,182.611 cw(c199.493,182.758) 199.346,182.904 ; 199.346,182.904 cw(c199.493,182.758) 199.64,182.904 200.595,181.95 ccw(c200.907,182.263) 201.22,181.95 ccw(c200.907,182.263) 201.35,182.263 ccw(c200.907,182.263) 201.22,182.576 200.973,182.823 cw(c201.12,182.97) 200.973,183.117 201.131,183.275 201.131,183.567 ccw(c200.688,183.567) 200.688,184.009 200.338,184.009 cw(c200.338,184.217) 200.338,184.424 201.688,184.424 ccw(c201.688,184.867) 202.131,184.867 ccw(c201.688,184.867) 201.688,185.309 200.338,185.309 cw(c200.338,185.517) 200.338,185.724 201.688,185.724 ccw(c201.688,186.167) 202.131,186.167 ccw(c201.688,186.167) 201.688,186.609 201.338,186.609 cw(c201.338,186.817) 201.131,186.817 201.131,197.296 203.073,199.238 211.426,199.238 212.774,200.585 213.063,200.585 215.163,202.686 216.507,202.686 217.715,203.893 218.701,203.893 219.99,205.181 219.99,206.518 220.023,206.551 220.023,207.063 219.99,207.096 219.99,208.786 220.003,208.8 220.003,208.994 220.227,209.218 220.544,209.218 220.564,209.197 222.116,209.197 222.628,209.197 223.005,209.574 223.005,211.376 222.903,211.477 222.903,211.866 223.22,212.183 224.035,212.183 224.225,212.373 224.542,212.373 224.717,212.197 225.273,212.197 225.531,212.197 225.585,212.143 226.667,212.143 227.029,212.505 227.029,213.656 227.017,213.667 227.017,213.983 227.029,213.994 227.029,215.471 v2(227.372,215.815)
EXT3.LVDS_4_P: IC4.L14 J12.14 | length 80.4
  TopLayer w0.095: IC4.L14@225.872,215.315 v2(226.372,215.815)
  MidLayer2 w0.115: J12.14@195.961,180.848 195.224,180.111 195.224,179.908 195.377,179.756 197.28,179.756 197.589,180.065 ccw(c197.443,180.212) 197.65,180.212 ccw(c197.443,180.212) 197.589,180.359 197.361,180.588 cw(c197.673,180.901) 197.36,181.213 cw(c197.673,180.901) 197.986,181.213 198.922,180.278 ccw(c199.069,180.424) 199.215,180.277 ; 199.216,180.278 ccw(c199.069,180.424) 199.276,180.424 ccw(c199.069,180.424) 199.216,180.571 198.261,181.526 cw(c198.574,181.839) 198.261,182.151 cw(c198.574,181.839) 198.887,182.151 199.841,181.197 ccw(c199.988,181.344) 200.134,181.196 ; 200.135,181.197 ccw(c199.988,181.344) 200.196,181.344 ccw(c199.988,181.344) 200.135,181.49 199.18,182.445 cw(c199.493,182.758) 199.18,183.071 cw(c199.493,182.758) 199.806,183.071 200.761,182.116 ccw(c200.907,182.263) 201.054,182.116 ; 201.055,182.116 ccw(c200.907,182.263) 201.115,182.263 ccw(c200.907,182.263) 201.054,182.41 200.807,182.657 cw(c201.12,182.97) 200.807,183.283 200.896,183.372 200.896,183.567 ccw(c200.688,183.567) 200.688,183.774 200.338,183.774 cw(c200.338,184.217) 200.338,184.659 201.688,184.659 ccw(c201.688,184.867) 201.896,184.867 ccw(c201.688,184.867) 201.688,185.074 200.338,185.074 cw(c200.338,185.517) 200.338,185.959 201.688,185.959 ccw(c201.688,186.167) 201.896,186.167 ccw(c201.688,186.167) 201.688,186.374 201.338,186.374 cw(c201.338,186.817) 200.896,186.817 200.896,186.85 ccw(c200.688,186.85) 200.688,187.057 200.403,187.057 cw(c200.403,187.265) 200.196,187.265 cw(c200.403,187.265) 200.403,187.473 200.688,187.473 ccw(c200.688,187.68) 200.896,187.68 200.896,187.888 200.896,188.125 200.896,197.393 202.976,199.473 211.329,199.473 212.677,200.82 212.966,200.82 215.066,202.921 216.41,202.921 217.551,204.061 217.551,204.064 217.616,204.128 218.604,204.128 219.755,205.279 219.755,206.615 219.788,206.648 219.788,206.965 219.755,206.998 219.755,208.952 219.768,208.966 219.768,209.091 220.13,209.453 220.642,209.453 220.662,209.432 222.214,209.432 222.53,209.432 222.77,209.672 222.77,211.278 222.668,211.38 222.668,211.963 223.123,212.418 223.938,212.418 224.128,212.608 224.64,212.608 224.815,212.432 225.175,212.432 225.628,212.432 225.682,212.378 226.569,212.378 226.794,212.602 226.794,213.558 226.782,213.569 226.782,214.081 226.794,214.092 226.794,215.394 v2(226.372,215.815)
EXT3.LVDS_5_N: IC4.M16 J12.18 | length 80.8
  TopLayer w0.095: IC4.M16@227.872,214.315 v2(228.372,213.815)
  MidLayer2 w0.115: J12.18@196.124,175.768 195.832,175.768 195.3,176.3 195.3,176.6 195.452,176.752 197.881,176.752 198.039,176.91 ccw(c197.726,177.223) 198.169,177.223 ccw(c197.726,177.223) 198.039,177.536 198.004,177.572 cw(c198.15,177.718) 198.003,177.865 cw(c198.15,177.718) 198.297,177.865 198.827,177.335 ccw(c199.14,177.648) 199.583,177.648 ccw(c199.14,177.648) 199.453,177.96 198.923,178.491 cw(c199.07,178.637) 198.922,178.784 cw(c199.07,178.637) 199.216,178.784 199.747,178.254 ccw(c200.059,178.567) 200.502,178.567 ccw(c200.059,178.567) 200.372,178.88 199.842,179.41 cw(c199.989,179.557) 199.842,179.703 ; 199.842,179.703 cw(c199.989,179.557) 200.135,179.703 200.666,179.173 ccw(c200.979,179.486) 201.421,179.486 ccw(c200.979,179.486) 201.292,179.799 200.761,180.329 cw(c200.908,180.476) 200.761,180.622 ; 200.761,180.623 cw(c200.908,180.476) 201.055,180.623 201.585,180.092 ccw(c201.898,180.405) 202.34,180.405 ccw(c201.898,180.405) 202.211,180.718 202.175,180.753 cw(c202.322,180.9) 202.175,181.047 202.59,181.462 202.59,188.214 ccw(c202.148,188.214) 202.148,188.657 202.098,188.657 cw(c202.098,188.864) 202.098,189.072 202.848,189.072 ccw(c202.848,189.514) 203.29,189.514 ccw(c202.848,189.514) 202.848,189.957 202.098,189.957 cw(c202.098,190.164) 202.098,190.372 202.848,190.372 ccw(c202.848,190.814) 203.29,190.814 ccw(c202.848,190.814) 202.848,191.257 202.798,191.257 cw(c202.798,191.464) 202.59,191.464 202.59,191.668 ccw(c202.148,191.668) 202.148,192.111 202.098,192.111 cw(c202.098,192.318) 202.098,192.526 202.848,192.526 ccw(c202.848,192.968) 203.29,192.968 ccw(c202.848,192.968) 202.848,193.411 202.098,193.411 cw(c202.098,193.618) 202.098,193.826 202.848,193.826 ccw(c202.848,194.268) 203.29,194.268 ccw(c202.848,194.268) 202.848,194.711 202.798,194.711 cw(c202.798,194.918) 202.59,194.918 202.59,196.621 204.165,198.196 212.579,198.196 214.375,199.992 214.375,200.004 215.533,201.162 216.833,201.162 217.964,202.292 219.21,202.292 219.703,202.786 ; 219.703,202.787 220.878,203.962 220.878,206.878 221.215,207.215 222.061,207.215 222.096,207.18 222.607,207.18 222.642,207.215 223.557,207.215 223.992,207.651 223.992,207.924 223.993,210.074 225.116,211.197 226.054,211.197 226.109,211.142 226.621,211.142 226.676,211.197 227.659,211.197 227.99,211.528 227.99,212.511 228.049,212.571 228.049,213.492 v2(228.372,213.815)
EXT3.LVDS_5_P: IC4.M15 J12.17 | length 81.5
  TopLayer w0.095: IC4.M15@226.872,214.315 227.362,213.825 v2(227.4,213.825)
  MidLayer2 w0.115: J12.17@193.584,175.768 194.202,175.768 194.837,176.403 194.837,176.729 195.095,176.987 197.783,176.987 197.873,177.077 ccw(c197.726,177.223) 197.934,177.223 ccw(c197.726,177.223) 197.873,177.37 197.837,177.405 cw(c198.15,177.718) 198.463,178.031 198.993,177.501 ccw(c199.14,177.648) 199.287,177.5 ccw(c199.14,177.648) 199.348,177.648 ccw(c199.14,177.648) 199.287,177.794 198.757,178.325 cw(c199.07,178.637) 199.382,178.95 199.913,178.42 ccw(c200.059,178.567) 200.206,178.42 ; 200.206,178.42 ccw(c200.059,178.567) 200.267,178.567 ccw(c200.059,178.567) 200.206,178.713 199.676,179.244 cw(c199.989,179.557) 200.302,179.87 200.832,179.339 ccw(c200.979,179.486) 201.125,179.339 ccw(c200.979,179.486) 201.186,179.486 ccw(c200.979,179.486) 201.125,179.633 200.595,180.163 cw(c200.908,180.476) 201.221,180.789 201.751,180.259 ccw(c201.898,180.405) 202.044,180.258 ; 202.045,180.259 ccw(c201.898,180.405) 202.105,180.405 ccw(c201.898,180.405) 202.045,180.552 202.009,180.587 cw(c202.322,180.9) 202.009,181.213 202.355,181.559 202.355,188.214 ccw(c202.148,188.214) 202.148,188.422 202.098,188.422 cw(c202.098,188.864) 202.098,189.307 202.848,189.307 ccw(c202.848,189.514) 203.055,189.514 ccw(c202.848,189.514) 202.848,189.722 202.098,189.722 cw(c202.098,190.164) 202.098,190.607 202.848,190.607 ccw(c202.848,190.814) 203.055,190.814 ccw(c202.848,190.814) 202.848,191.022 202.798,191.022 cw(c202.798,191.464) 202.355,191.464 202.355,191.668 ccw(c202.148,191.668) 202.148,191.876 202.098,191.876 cw(c202.098,192.318) 202.098,192.761 202.848,192.761 ccw(c202.848,192.968) 203.055,192.968 ccw(c202.848,192.968) 202.848,193.176 202.098,193.176 cw(c202.098,193.618) 202.098,194.061 202.848,194.061 ccw(c202.848,194.268) 203.055,194.268 ccw(c202.848,194.268) 202.848,194.476 202.798,194.476 cw(c202.798,194.918) 202.355,194.918 202.355,196.719 204.068,198.431 212.482,198.431 214.14,200.089 214.14,200.101 215.435,201.397 216.736,201.397 217.867,202.527 219.112,202.527 219.468,202.883 220.643,204.059 220.643,206.976 220.745,207.077 221.117,207.45 222.158,207.45 222.193,207.415 222.51,207.415 222.545,207.45 223.459,207.45 223.757,207.748 223.757,210.171 225.019,211.432 226.151,211.432 226.206,211.377 226.523,211.377 226.578,211.432 227.561,211.432 227.755,211.626 227.755,212.559 227.755,212.609 227.814,212.668 227.814,213.373 227.4,213.787 v2(227.4,213.825)
EXT3.LVDS_6_N: IC4.L18 J12.21 | length 84.7
  TopLayer w0.095: IC4.L18@229.872,215.315 v2(230.372,215.815)
  MidLayer2 w0.115: J12.21@193.584,170.688 194.862,171.966 194.862,174.037 195.375,174.549 197.002,174.549 ccw(c197.002,174.756) 197.21,174.756 197.21,174.806 cw(c197.652,174.806) 198.095,174.806 198.095,174.056 ccw(c198.302,174.056) 198.51,174.056 198.51,174.132 cw(c198.927,174.132) 198.927,174.549 199.053,174.549 199.143,174.638 ccw(c198.996,174.785) 199.204,174.785 ccw(c198.996,174.785) 199.143,174.932 199.107,174.967 cw(c199.42,175.28) 199.733,175.593 200.263,175.062 ccw(c200.41,175.209) 200.557,175.062 ccw(c200.41,175.209) 200.618,175.209 ccw(c200.41,175.209) 200.557,175.356 200.027,175.886 cw(c200.34,176.199) 200.652,176.512 201.183,175.982 ccw(c201.329,176.128) 201.476,175.981 ; 201.476,175.982 ccw(c201.329,176.128) 201.537,176.128 ccw(c201.329,176.128) 201.476,176.275 200.946,176.805 cw(c201.259,177.118) 201.572,177.431 202.102,176.901 ccw(c202.249,177.048) 202.395,176.9 ccw(c202.249,177.048) 202.456,177.048 ccw(c202.249,177.048) 202.395,177.194 201.865,177.725 cw(c202.178,178.038) 202.491,178.35 203.021,177.82 ccw(c203.168,177.967) 203.314,177.82 ; 203.315,177.82 ccw(c203.168,177.967) 203.375,177.967 ccw(c203.168,177.967) 203.315,178.114 202.784,178.644 cw(c203.097,178.957) 203.41,179.27 203.445,179.234 ccw(c203.592,179.381) 203.739,179.234 204.133,179.629 204.133,196.426 205.148,197.441 213.722,197.441 216.008,199.727 217.532,199.727 219.031,201.225 220.021,201.225 221.913,203.117 221.913,204.862 223.454,206.403 224.519,206.403 224.743,206.627 224.743,207.016 224.766,207.038 224.766,209.649 224.768,209.652 224.768,210.066 225.13,210.428 225.642,210.428 225.708,210.361 226.523,210.361 226.576,210.414 228.501,210.414 228.755,210.667 228.755,212.593 228.821,212.659 228.821,212.994 228.755,213.061 228.755,214.937 229.128,215.31 229.867,215.31 v2(230.372,215.815)
EXT3.LVDS_6_P: IC4.M18 J12.20 | length 84
  TopLayer w0.095: IC4.M18@229.872,214.315 230.257,214.7 v2(230.375,214.7)
  MidLayer2 w0.115: J12.20@196.124,172.985 195.529,172.39 195.351,172.39 195.097,172.644 195.097,173.939 195.472,174.314 197.002,174.314 ccw(c197.002,174.756) 197.445,174.756 197.445,174.806 cw(c197.652,174.806) 197.86,174.806 197.86,174.056 ccw(c198.302,174.056) 198.745,174.056 198.745,174.132 cw(c198.927,174.132) 198.927,174.314 199.151,174.314 199.309,174.472 ccw(c198.996,174.785) 199.439,174.785 ccw(c198.996,174.785) 199.309,175.098 199.274,175.133 cw(c199.42,175.28) 199.273,175.426 cw(c199.42,175.28) 199.567,175.427 200.097,174.896 ccw(c200.41,175.209) 200.853,175.209 ccw(c200.41,175.209) 200.723,175.522 200.193,176.052 cw(c200.34,176.199) 200.192,176.345 cw(c200.34,176.199) 200.486,176.346 201.017,175.815 ccw(c201.329,176.128) 201.772,176.128 ccw(c201.329,176.128) 201.642,176.441 201.112,176.972 cw(c201.259,177.118) 201.112,177.265 ; 201.112,177.265 cw(c201.259,177.118) 201.405,177.265 201.936,176.735 ccw(c202.249,177.048) 202.691,177.048 ccw(c202.249,177.048) 202.562,177.36 202.031,177.891 cw(c202.178,178.038) 202.031,178.184 ; 202.031,178.184 cw(c202.178,178.038) 202.325,178.184 202.855,177.654 ccw(c203.168,177.967) 203.61,177.967 ccw(c203.168,177.967) 203.481,178.28 202.951,178.81 cw(c203.097,178.957) 202.95,179.103 ; 202.951,179.104 cw(c203.097,178.957) 203.244,179.104 203.279,179.068 ccw(c203.592,179.381) 203.905,179.068 204.368,179.531 204.368,181.575 204.368,181.782 204.368,181.99 cw(c204.576,181.99) 204.576,182.197 204.83,182.197 ccw(c204.83,182.405) 205.038,182.405 ccw(c204.83,182.405) 204.83,182.612 204.576,182.612 cw(c204.576,182.82) 204.368,182.82 204.368,183 204.368,196.329 205.245,197.206 213.819,197.206 216.105,199.492 217.629,199.492 219.128,200.99 220.119,200.99 222.148,203.02 222.148,204.765 223.551,206.168 224.617,206.168 224.978,206.529 224.978,206.919 225.001,206.941 225.001,208.823 225.003,208.825 225.003,209.969 225.228,210.193 225.544,210.193 225.611,210.126 226.621,210.126 226.673,210.179 228.598,210.179 228.99,210.57 228.99,212.495 229.056,212.561 229.056,213.092 228.99,213.158 228.99,214.84 229.225,215.075 230,215.075 v2(230.375,214.7)
EXT3.LVDS_7_N: IC4.N19 J12.24 | length 85.8
  TopLayer w0.095: IC4.N19@230.872,213.315 231.36,212.827 v2(231.419,212.827)
  MidLayer2 w0.115: J12.24@196.124,168.148 195.555,168.148 195.047,167.64 195.047,167.513 195.605,166.954 196.925,166.954 ccw(c196.925,167.162) 197.133,167.162 197.133,167.431 cw(c197.34,167.431) 197.34,167.638 cw(c197.34,167.431) 197.548,167.431 197.548,167.162 ccw(c197.755,167.162) 197.755,166.954 ccw(c197.755,167.162) 197.963,167.162 197.963,167.36 cw(c198.17,167.36) 198.17,167.567 cw(c198.17,167.36) 198.378,167.36 198.378,167.162 ccw(c198.585,167.162) 198.585,166.954 198.793,166.954 199.05,166.954 208.633,166.954 216.452,174.773 216.452,178.836 217.322,179.705 222.021,179.705 224.479,182.162 224.479,184.683 226.003,186.207 226.003,188.967 229.387,192.351 230.378,192.351 231.057,193.03 231.057,194.021 231.927,194.891 233.008,194.891 233.64,195.522 233.64,199.204 234.309,199.873 234.309,201.67 235.07,202.431 235.07,202.794 236.804,204.529 236.804,210.566 237.16,210.922 237.16,211.938 236.974,212.124 236.835,212.263 ccw(c236.688,212.116) 236.541,212.263 236.496,212.218 cw(c236.35,212.364) 236.203,212.218 cw(c236.35,212.364) 236.203,212.511 236.248,212.556 ccw(c236.101,212.703) 236.248,212.849 236.101,212.996 235.954,213.143 234.585,213.143 234.53,213.197 233.214,213.197 233.159,213.143 231.7,213.143 231.419,212.862 v2(231.419,212.827) v2@231.419,212.729
EXT3.LVDS_7_P: IC4.N18 J12.23 | length 85.7
  TopLayer w0.095: IC4.N18@229.872,213.315 230.454,212.733 v2(230.454,212.725) 230.424,212.725 v2@230.4,212.749
  MidLayer2 w0.115: J12.23@193.584,168.148 194.304,168.148 194.812,167.64 194.812,167.416 195.508,166.719 208.731,166.719 216.687,174.676 216.687,178.739 217.419,179.47 222.119,179.47 224.714,182.065 224.714,184.586 226.238,186.11 226.238,188.869 229.484,192.116 230.281,192.116 230.475,192.116 231.292,192.933 231.292,193.924 232.024,194.656 233.106,194.656 233.875,195.425 233.875,199.107 234.544,199.775 234.544,201.572 235.305,202.333 235.305,202.697 237.039,204.432 237.039,210.469 237.395,210.824 237.395,212.035 236.052,213.378 234.682,213.378 234.628,213.432 233.116,213.432 233.062,213.378 231.27,213.378 230.618,212.725 v2(230.454,212.725)
EXT4.LVDS_0_N: IC4.V19 J13.3 | length 45.4
  TopLayer w0.095: IC4.V19@230.872,208.315 v2(231.372,207.815)
  MidLayer2 w0.115: J13.3@205.704,193.548 206.974,194.818 208.876,194.818 209.289,194.405 ccw(c209.602,194.717) 209.915,194.405 209.95,194.44 cw(c210.097,194.293) 210.243,194.44 ; 210.244,194.44 cw(c210.097,194.293) 210.304,194.293 cw(c210.097,194.293) 210.244,194.146 209.713,193.616 ccw(c210.026,193.303) 210.339,192.99 210.374,193.026 cw(c210.521,192.879) 210.668,193.026 211.193,192.5 213.026,192.5 213.184,192.658 cw(c213.33,192.512) 213.477,192.658 213.513,192.623 ccw(c213.825,192.936) 214.138,192.623 ccw(c213.825,192.936) 214.268,192.936 ccw(c213.825,192.936) 214.138,193.249 213.608,193.779 cw(c213.755,193.926) 213.608,194.072 cw(c213.755,193.926) 213.901,194.073 214.432,193.542 ccw(c214.745,193.855) 215.058,193.542 ccw(c214.745,193.855) 215.187,193.855 ccw(c214.745,193.855) 215.058,194.168 214.527,194.698 cw(c214.674,194.845) 214.527,194.992 cw(c214.674,194.845) 214.821,194.992 215.351,194.461 ccw(c215.664,194.774) 215.977,194.461 ccw(c215.664,194.774) 216.106,194.774 ccw(c215.664,194.774) 215.977,195.087 215.446,195.618 cw(c215.593,195.764) 215.446,195.911 ; 215.446,195.911 cw(c215.593,195.764) 215.74,195.911 215.775,195.876 ccw(c216.088,196.189) 216.401,195.876 216.617,196.091 216.617,196.779 217.043,197.206 219.839,197.206 224.434,201.801 224.434,202.584 224.935,203.085 224.935,203.487 226.99,205.541 226.99,206.973 227.234,207.218 227.567,207.218 227.642,207.293 228.542,207.293 228.904,207.654 228.904,207.887 229.214,208.197 229.489,208.197 229.595,208.197 229.99,207.803 229.99,207.657 230.214,207.432 230.99,207.432 v2(231.372,207.815)